# Allegro board C112P01-T2-ZDS-A03.brd (continued)
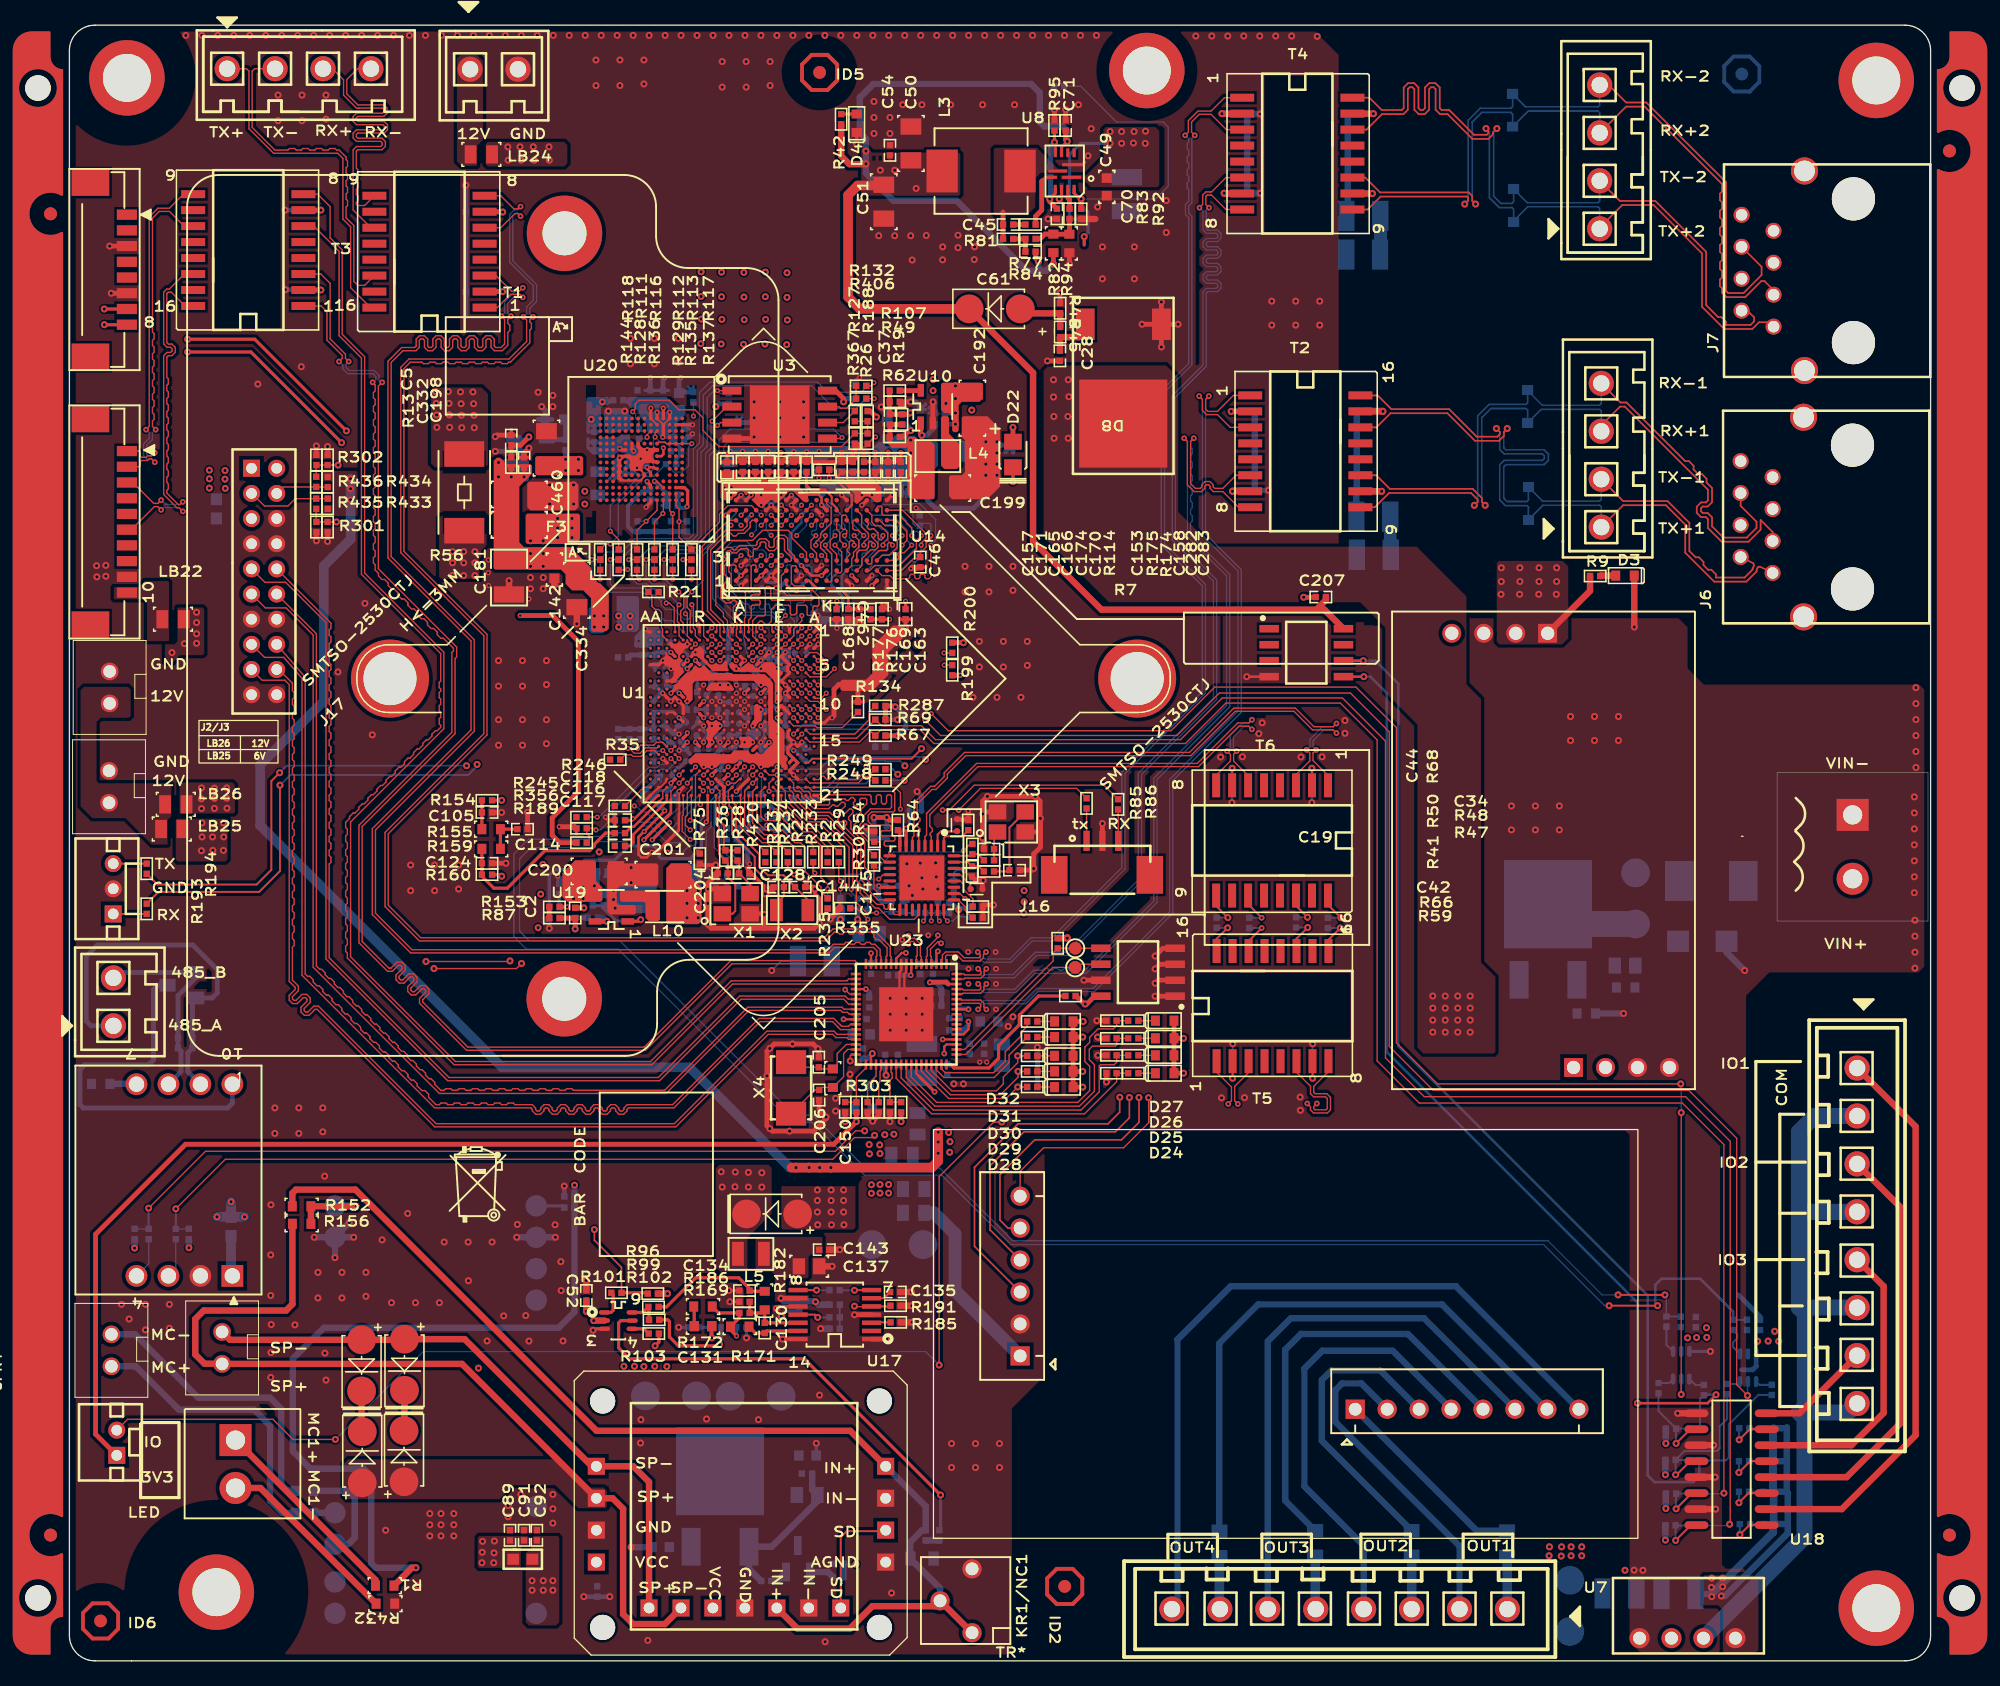
[diagram p0: board, top side]
## Copper pours and planes (outline as drawn; the poured copper is in the pictures) (continued)
5V_AU on TOP: 35.76,7.39 35.89,7.52 35.89,9.04 36.02,9.17 36.4,9.17 36.53,9.3 36.53,9.8 36.4,9.93 32.59,9.93 32.46,9.8 32.46,7.52 32.59,7.39
5V_AU on ART03: 51,39.48 64.08,39.48 68.3,35.27 68.3,22.19 65.27,19.15 41.1,19.15 39.45,17.5 39.45,5.37 38.84,4.76 32.72,4.76 32.14,5.33 32.14,21.49 34.63,23.98 61.53,23.98 63.13,25.58 63.13,33.86 62.84,34.15 51.18,34.15 50.48,34.85 50.48,38.96
5V_K on BOTTOM: 65.71,36.35 66.61,36.35 67.01,35.95 67.01,34.52 67.16,34.37 68.41,34.37 69.15,33.63 69.15,31.99 68.95,31.79 65.71,31.79 65.56,31.94 65.56,36.19
6V0_MAIN on TOP: 78.84,117.78 80.59,117.78 81.18,117.2 81.18,117.17 86.49,117.17 86.64,117.32 86.64,121.64 86.33,121.95 82.4,121.95 82.19,121.74 82.19,119.48 80.82,118.11 78.84,118.11 78.82,118.08 78.82,117.81
6V0_MAIN on TOP: 8.46,63.71 8.61,63.55 12.4,63.55 12.57,63.73 12.57,66.9 12.52,66.95 8.55,66.95 8.47,66.87 8.46,66.87
6V0_MAIN on TOP: 8.59,83.72 8.59,81.05 8.36,80.82 7.65,80.82 7.59,80.77 7.59,79.43 7.65,79.38 8.2,79.38 8.79,79.96 10.59,79.96 10.72,80.09 10.72,83.62 10.59,83.74 8.61,83.74
6V0_MAIN on TOP: 56.59,37.67 56.59,34.42 56.72,34.29 62.31,34.29 62.48,34.47 62.48,37.72 62.46,37.74 56.67,37.74
6V0_MAIN on TOP: 119.15,87.01 118.71,87.45 113.64,87.45 113.47,87.28 113.47,81.04 113.7,80.81 118.67,80.81 119.15,81.3
6V0_MAIN on BOTTOM: 51.99,33.27 46.71,38.56 29.92,38.56 12.42,56.06 12.37,56.06 4.65,63.78 4.65,88.8 2.97,90.47 2.97,103.23 5.64,105.89 39.29,105.89 44.68,111.28 57.46,111.28 58,110.74 58.01,110.74 58.01,102.83 57.6,102.41 40.21,102.41 40.18,102.44 39.22,102.44 36.96,100.18 13.16,100.18 10.52,97.54 10.52,88.93 12.4,87.05 12.4,84.84 12.33,84.77 12.34,84.76 12.34,67.67 34.09,45.92 49.38,45.92 57.02,38.28 62.06,38.28 62.5,37.85 62.5,37.15 63.09,36.55 64.4,36.55 65.11,35.84 65.11,31.8 64.87,31.56 62.38,31.56 61.87,32.07 61.87,33.08 61.68,33.27
6V0_MAIN on BOTTOM: 117.32,9.19 117.32,5.41 117.7,5.03 120.42,5.03 120.7,5.31 120.7,9.22 120.55,9.37 117.5,9.37
6V0_MAIN on BOTTOM: 81.15,117.17 86.51,117.17 86.64,117.3 86.64,121.64 86.33,121.95 82.37,121.95 82.19,121.77 82.19,119.48 81.05,118.34 81.03,118.34 81.03,117.3
6V0_MAIN on ART03: 82.25,114.59 82.25,121.84 82.87,122.47 87.52,122.47 87.95,122.04 87.95,110.22 86.98,109.25 86.98,95.25 94.32,87.91 122.43,87.91 134.04,76.3 134.04,7.95 132.74,6.65 116.45,6.65 115.46,7.65 115.46,11.13 116.09,11.76 125.45,11.76 126.43,12.74 126.43,72.78 119.27,79.95 93.38,79.95 79.05,94.28 79.05,103.13 78.3,103.89 50.15,103.89 49.34,104.69 49.34,113.9 49.81,114.36 82.02,114.36
12V0 on TOP: 77.44,102.59 77.44,89.36 82.64,84.16 102.6,84.16 103.66,83.1 103.66,83.08 104.61,82.13 104.61,76.99 107.16,74.44 107.16,48.77 107.65,48.29 113.23,48.29 113.36,48.41 113.36,54.38 112.22,55.52 112.22,76.48 111.05,77.64 111.05,84.64 107.11,88.58 90.91,88.58 88.14,91.35 88.14,102.03 87.17,103 77.85,103
12V0 on TOP: 33.26,118.82 39.33,118.82 39.59,119.07 39.59,120.52 39.33,120.77 33.26,120.77 33.09,120.6 33.09,118.99
12V0 on TOP: 13.06,67.38 13.16,67.48 13.16,69.64 12.96,69.84 8.86,69.84 8.76,69.74 8.76,67.43 8.82,67.38
12V0 on BOTTOM: 77.55,96.45 80.79,96.45 83.39,99.04 83.39,106.99 81.14,109.23 75.48,109.23 71.74,112.96 71.74,113.27 71.12,113.9 65.42,113.9 58.06,121.25 34.23,121.25 33.64,120.67 33.64,118.6 33.92,118.32 34.46,117.78 35.01,117.23 55.28,117.23 75.99,96.52 77.48,96.52
12V0 on BOTTOM: 43.93,19.79 47.89,19.79 48.15,20.04 48.15,24.17 48.06,24.26 43.76,24.26 43.68,24.17 43.68,20.04
12V0 on BOTTOM: 117.56,55.82 118.06,55.32 118.06,48.18 118.2,48.04 122.62,48.04 123.1,47.56 123.1,45.97 122.89,45.76 113.88,45.76 113.4,46.24 113.4,49.05 113.14,49.3 108.41,49.3 108.03,49.68 108.03,55.52 108.32,55.82
12V0 on ART03: 6.15,67.06 13.88,67.06 17.75,70.92 17.75,96.73 22.9,101.88 37.82,116.8 40,118.98 40,122.26 38.34,123.91 14.64,123.91 4.42,113.69 4.42,68.78 ; 9 cut-outs
12V0 on POWER5: 113.75,39.68 96.39,22.33 43.31,22.33 43.09,22.54 43.09,25.83 43.37,26.11 89.73,26.11 107.61,44 107.61,53.08 108.15,53.62 112.47,53.62 113.74,52.35 113.74,46.65 113.75,46.64
12V0_MAIN on BOTTOM: 47.26,9.5 48.41,9.5 48.56,9.65 48.56,10.5 48.69,10.63 50.11,10.63 50.28,10.46 50.28,6.58 51.94,4.91 51.94,3.57 51.82,3.44 50.52,3.44 50.36,3.61 50.36,4.81 48.84,6.32 48.84,7.14 47.21,8.78 47.21,9.45
12V0_MAIN on BOTTOM: 39.8,9.27 39.8,5.66 39.9,5.56 43.13,5.56 43.21,5.64 43.21,9.09 42.95,9.35 39.88,9.35
12V0_MAIN on ART03: 40.97,6.76 49.66,6.76 50.16,6.25 50.16,3.3 50.34,3.12 52.25,3.12 52.37,3.25 52.37,7.85 51,9.22 40.94,9.22 40.74,9.02 40.74,6.98
AV33 on BOTTOM: 60.02,49.05 59.89,49.17 59.89,56.92 61.42,58.45 63.32,58.45 63.58,58.19 63.58,56.92 63.83,56.67 69.8,56.67 71.07,55.4 71.07,52.48 71.83,51.71 71.83,51.59 71.96,51.46 72.72,51.46 72.85,51.33 72.85,50.32 72.72,50.19 71.58,50.19 71.32,49.94 70.69,49.94 70.43,50.19 70.43,51.71 69.99,52.16 69.99,54.19 68.91,55.27 63.2,55.27 62.81,54.89 62.81,49.56 62.31,49.05 ; 11 cut-outs
AVCC on TOP: 20.19,91.01 22.81,91.01 22.96,91.16 22.96,94.46 22.81,94.61 20.17,94.61 20.07,94.51 20.07,93.75 20.09,93.73 20.85,93.73 20.98,93.6 20.98,91.92 20.93,91.87 20.19,91.87 20.14,91.82 20.14,91.06
AVCC on BOTTOM: 66.37,42.32 66.12,42.06 66.12,39.67 66.19,39.6 70.26,39.6 70.43,39.78 70.43,42.27 70.38,42.32
AVCC on BOTTOM: 64.08,56.92 65.33,56.92 66.32,57.91 69.42,57.91 70.41,56.92 74.37,56.92 76.78,59.33 76.78,61.11 76.28,61.62 74.75,61.62 71.73,58.6 67.51,58.6 67.11,59 67.11,59.02 65.16,59.02 65.1,59.08 64.47,59.08 63.96,58.57 63.96,57.05
AVCC on POWER5: 68.4,39.7 81.38,39.7 82.3,40.61 82.3,51.64 82.88,52.22 85.42,52.22 91.52,58.32 91.52,61.87 91.1,62.29 75.98,62.29 75.31,61.62 75.31,44.6 73.51,42.8 68.45,42.8 68.07,42.42 68.07,40.03
DDRIO_1.5V/1.35V on TOP (solid shape): 67.64,96.93 68.53,96.93 68.78,96.67 68.78,92.48 68.66,92.35 67.01,92.35 66.62,92.74 66.62,97.06 66.87,97.31 67.26,97.31
DDRIO_1.5V/1.35V on TOP (solid shape): 64.07,93.77 64.12,93.7 64.19,93.65 64.57,93.27 64.57,92.26 64.44,92.13 64.06,92.13 63.68,92.51 63.6,92.51 63.58,92.52 63.39,92.59 63.2,92.52 63.19,92.51 63.17,92.51 62.66,92 62.53,92 62.41,92.13 62.41,92.6 62.42,92.66 62.41,92.77 61.44,93.73 61.44,93.97 61.6,94.12 63.72,94.12
DDRIO_1.5V/1.35V on TOP (solid shape): 52.76,79.38 52.88,79.26 53.04,79.23 53.07,79.22 53.09,79.18 53.17,79.02 53.34,78.95 53.45,78.98 53.54,79.04 53.73,79.23 53.74,79.24 53.85,79.29 53.93,79.38 53.94,79.4 54.04,79.4 54.06,79.38 54.18,79.26 54.34,79.23 54.37,79.22 54.39,79.18 54.47,79.02 54.64,78.95 54.75,78.98 54.84,79.04 55.03,79.23 55.04,79.24 55.15,79.29 55.23,79.38 55.25,79.4 55.88,79.4 56.72,78.56 56.72,78.47 56.63,78.38 56.63,78.37 56.33,78.07 56.33,77.71 56.44,77.6 56.44,77.59 56.67,77.37 56.67,77.11 56.61,76.93 56.67,76.76 56.67,76.35 56.52,76.2 56.46,76.17 56.41,76.14 56.37,76.1 56.16,76.1 56.07,76.19 56.07,77.78 55.99,77.86 55.99,77.96 55.34,78.61 54.06,78.61 54.03,78.64 52.83,78.64 52.48,78.99 52.48,79.25 52.63,79.4 52.74,79.4
DDRIO_1.5V/1.35V on TOP (solid shape): 53.14,94.66 53.14,94.14 53.9,94.14 53.9,94.66 54.15,94.66 54.15,94.14 54.91,94.14 54.91,94.66 55.17,94.66 55.17,94.14 55.93,94.14 55.93,94.66 56.18,94.66 56.18,94.14 56.95,94.14 56.95,94.66 57.2,94.66 57.2,94.14 57.96,94.14 57.96,94.66 58.04,94.66 58.09,94.61 58.09,93.27 58.72,92.64 58.72,92.15 58.37,92.15 57.57,92.96 57.53,92.96 57.52,92.96 57.39,92.99 57.26,92.96 57.25,92.96 57.21,92.96 56.37,92.12 56.1,92.12 55.94,92.27 55.7,92.27 55.17,91.75 54.79,91.75 54.25,92.28 54.24,92.28 54.21,92.35 54.25,92.39 54.27,92.39 54.41,92.9 53.9,92.76 53.89,92.75 53.86,92.71 53.76,92.69 53.69,92.76 53.39,92.99 53.1,92.76 53.09,92.75 52.93,92.59 52.92,92.58 52.77,92.49 52.69,92.33 52.68,92.28 51.96,92.28 51.77,92.48 51.77,94.51 51.91,94.66 53.05,94.66
DDRIO_1.5V/1.35V on BOTTOM (solid shape): outline of 291 points within 59.61,91.29 69.04,97.43
DDRIO_1.5V/1.35V on BOTTOM: 56.48,92.4 56.47,92.41 56.41,92.5 56.32,92.56 56.31,92.57 56.26,92.61 55.2,92.61 55.09,92.5 55.09,92.06 55.55,91.6 55.55,91.45 55.37,91.28 55.3,91.25 55.22,91.28 55.11,91.37 54.97,91.39 54.94,91.39 54.89,91.44 54.9,91.46 54.62,91.79 54.29,91.51 54.26,91.45 54.2,91.42 54.04,91.36 53.94,91.24 53.93,91.2 53.68,91.2 53.66,91.23 53.55,91.35 53.4,91.39 53.33,91.42 53.3,91.49 52.89,91.77 52.75,91.3 52.78,91.26 52.72,91.2 52.64,91.2 52.23,90.79 51.93,90.79 51.77,90.96 51.77,93.62 51.89,93.75 51.89,94.26 51.89,94.26 52.27,94.65 53.49,94.65 53.49,94.75 54.15,94.75 54.15,94.14 54.91,94.14 54.91,94.75 55.88,94.75 55.96,94.67 55.96,93.93 56.98,92.92 56.98,92.66 57.23,92.41 57.23,92.18 57.07,92.02 56.86,92.02 56.8,92.11 56.72,92.16 56.71,92.17
DDRIO_1.5V/1.35V on POWER5: outline of 136 points within 49.86,73.81 69.16,97.31
DVCC on BOTTOM: 67.16,42.77 89.05,42.77 89.28,43 89.28,45.24 89.23,45.24 89.23,51.43 88.93,51.74 79.73,51.74 79.32,51.33 79.32,45.21 78.89,44.78 69.22,44.78 69.16,44.83 69.16,47.37 68.78,47.75 63.88,47.75 62.99,46.86 62.99,43.41 62.84,43.26 62.13,43.26 61.98,43.1 61.98,42.52 62.03,42.47 66.85,42.47
DVDD on TOP (solid shape): 49.48,63.14 49.48,62.26 50.24,61.49 50.24,58.83 49.99,58.57 47.57,58.57 47.45,58.7 47.45,63.02 47.83,63.4 49.23,63.4
DVDD on TOP (solid shape): 52.69,77.54 52.69,77.53 52.73,77.41 52.81,77.32 52.81,77.2 52.74,77.13 50.73,77.13 50.68,77.19 50.68,77.37 50.72,77.43 50.75,77.51 50.75,77.52 51.01,77.79 52.44,77.79
DVDD on TOP (solid shape): 54.08,73.47 54.14,73.47 54.5,73.11 54.5,72.98 54.34,72.82 54.29,72.82 54.05,72.59 53.33,72.59 53.23,72.69 53.23,72.77 53.35,73.03 53.23,73.29 53.23,73.39 53.31,73.47 54.07,73.47
DVDD on TOP (solid shape): 54.71,76.07 54.81,75.99 54.93,75.95 54.94,75.95 55.12,75.78 55.14,75.76 55.16,75.74 55.16,75.53 55.07,75.44 55.04,75.31 55.04,74.77 54.94,74.67 54.93,74.67 54.73,74.57 54.64,74.38 54.64,74.36 54.42,74.14 54.21,74.14 54.18,74.19 54.18,74.48 54.23,74.56 54.25,74.65 54.25,74.67 54.43,74.85 54.43,75.92 54.58,76.07
DVDD on TOP (solid shape): 50.89,74.7 51.07,74.65 51.25,74.7 51.54,74.7 51.6,74.67 51.68,74.65 51.69,74.65 51.85,74.49 51.85,74.18 51.21,73.54 51.14,73.34 51.23,73.16 51.28,73.11 51.28,72.96 51.18,72.84 50.94,72.6 50.66,72.6 50.62,72.63 50.62,72.77 50.67,72.81 50.75,73.03 50.67,73.25 50.67,74.11 50.75,74.32 50.68,74.54 50.67,74.55 50.67,74.7
DVDD on BOTTOM (solid shape): 50.24,63.02 50.24,58.83 50.11,58.7 47.96,58.7 47.7,58.95 47.7,63.27 47.83,63.4 49.76,63.4 49.86,63.4
DVDD on BOTTOM (solid shape): 51.61,78.29 51.98,78.29 51.99,78.28 51.99,78.1 52.08,78.01 52.18,77.94 52.29,77.92 52.32,77.92 52.53,77.7 52.53,77.64 52.55,77.59 52.55,77.23 52.55,77.09 52.55,77.03 52.52,77.01 52.38,77.01 52.06,77.33 51.91,77.33 51.8,77.3 51.7,77.24 51.69,77.22 51.59,77.22 51.51,77.3 51.51,78.26 51.57,78.33
DVDD on BOTTOM (solid shape): 55.89,75.55 55.89,75.47 55.72,75.3 55.28,75.3 54.95,74.97 54.83,74.82 54.56,74.54 54.56,74.12 54.86,73.82 54.84,73.58 54.84,73.53 54.41,73.11 54.4,73.02 54.37,72.98 54.34,72.96 54.24,72.94 53.89,72.58 53.64,72.54 53.5,72.68 53.46,72.71 53.46,73.09 53.76,73.39 53.76,73.75 53.88,73.75 54.18,74.05 54.18,74.48 54.58,74.89 54.58,74.92 54.69,75.02 54.69,75.09 54.87,75.27 54.87,75.42 54.86,75.5 54.83,75.57 54.81,75.6 54.89,75.68 54.94,75.7 54.97,75.71 55,75.7 55.07,75.67 55.32,75.67 55.44,75.7 55.55,75.77 55.67,75.77
DVDD on POWER5: outline of 120 points within 47.57,58.28 61.67,79.15
GND on TOP (solid shape): 40.46,93.5 40.46,91.72 40.21,91.47 36.65,91.47 36.4,91.72 36.4,93.62 36.53,93.75 40.21,93.75
GND on TOP (solid shape): 66.73,82.22 66.73,81.79 65.1,80.16 65.1,78.38 63.83,77.11 61.42,77.11 61.29,77.24 61.29,77.88 61.42,78 63.32,78 63.83,78.51 63.83,80.67 65.48,82.32 66.62,82.32
GND on TOP (solid shape): 46.81,63.27 46.81,61.75 46.69,61.62 43.76,61.62 43.51,61.37 43.51,60.22 43.64,60.1 44.91,60.1 45.03,59.97 45.03,59.46 44.91,59.33 43,59.33 42.75,59.59 42.75,63.27 42.88,63.4 46.69,63.4
GND on TOP (solid shape): 73.99,97.94 73.99,93.37 72.97,92.35 71.55,92.35 71.54,92.36 71.42,92.38 71.3,92.36 71.3,92.35 70.18,92.35 69.93,92.61 69.93,94.13 70.05,94.26 70.94,94.26 71.2,94.51 71.2,97.05 70.94,97.31 70.94,97.71 70.94,97.71 70.94,98.83 71.07,98.96 72.97,98.96
GND on TOP (solid shape): 50.44,80.38 50.44,79.75 50.75,79.44 51,79.21 51.32,79.31 51.39,79.35 51.47,79.31 51.8,79.21 52.04,79.46 52.07,79.49 52.27,79.49 52.32,79.44 52.32,79.31 52.32,79.31 52.32,78.93 52.38,78.87 52.4,78.76 52.31,78.7 51.14,78.7 49.94,79.89 49.6,79.89 49.48,79.78 49.42,79.75 49.34,79.78 49.34,79.78 49.3,79.86 49.34,79.93 49.43,80.06 49.45,80.21 49.49,80.26 49.51,80.26 49.63,80.34 49.7,80.47 49.72,80.5 49.75,80.5 49.92,80.54 50.05,80.66 50.16,80.66
GND on TOP (solid shape): outline of 83 points within 47.14,77.72 49.44,81.25
GND on TOP (solid shape): outline of 288 points within 43.51,93.75 46.94,96.93
GND on BOTTOM (solid shape): 46.69,63.27 46.69,59.97 46.18,59.46 43.59,59.46 43.57,59.47 43.4,59.47 43,59.87 43,61.62 43.38,62 43.38,63.14 43.64,63.4 46.56,63.4
GND on BOTTOM (solid shape): 47.19,81.81 47.19,81.35 46.53,81.35 46.53,80.67 46.18,80.67 46.05,80.54 45.92,80.54 45.92,81.17 45.16,81.17 45.16,80.54 45.03,80.54 44.91,80.67 44.91,81.43 45.67,82.19 46.81,82.19
GND on BOTTOM (solid shape): 44.29,99.59 44.47,99.42 44.46,99.39 44.48,99.18 44.63,99.02 44.65,99.01 44.65,97.94 44.53,97.82 43.64,97.82 43.56,97.74 43.45,97.71 43.38,97.81 43.38,98.22 42.62,98.22 42.62,97.68 42.59,97.64 42.54,97.64 42.54,97.78 42.49,97.91 42.49,99.47 42.62,99.59 43.79,99.59
GND on BOTTOM (solid shape): 63.58,96.29 63.58,95.71 62.79,95.71 62.79,95.02 62.66,95.02 62.66,95.71 61.9,95.71 61.9,95.02 61.77,95.02 61.77,95.71 61.01,95.71 61.01,95.68 60.98,95.63 60.92,95.64 60.91,95.66 60.4,95.66 60.02,95.28 59.26,95.28 59.15,95.17 59.04,95.15 58.98,95.24 58.98,95.71 58.22,95.71 58.22,95.02 57.96,95.02 57.96,95.71 57.1,95.71 57.1,96.04 56.91,96.23 56.91,96.23 56.53,96.44 56.2,96.16 56.19,96.15 56.08,96.04 56.08,95.15 56.02,95.08 55.96,95.07 55.93,95.12 55.93,95.71 55.17,95.71 55.17,95.02 54.91,95.02 54.91,95.71 54.15,95.71 54.15,95.02 54,95.02 54,95.71 53.13,95.71 53.1,95.68 53.1,95.03 53.09,95.02 52.91,95.02 52.79,94.9 52.17,94.9 52.16,94.89 52.02,94.89 51.89,95.02 51.89,95.48 52.32,95.91 52.32,96.42 52.48,96.57 63.3,96.57
GND on BOTTOM (solid shape): outline of 167 points within 54.81,71.27 56.03,74.83
GND on BOTTOM (solid shape): outline of 191 points within 54.5,79.18 57.49,80.65
GND on TOP: 59.03,32.03 59.03,30.66 59.26,30.43 62.18,30.43 62.31,30.56 62.31,33.27 62.13,33.45 60.21,33.45 60.12,33.36 60.12,32.26 59.92,32.05 59.05,32.05
GND on TOP: outline of 91 points within 47.07,72.03 55.42,77.77
GND on TOP: 83.64,116.23 83.01,116.87 81.23,116.87 81.1,116.74 81.1,111.02 80.59,110.52 74.12,110.52 73.36,111.28 73.36,114.83 72.59,115.6 63.32,115.6 63.2,115.47 63.2,109.37 63.32,109.25 87.96,109.25 88.09,109.37 88.09,116.1 87.96,116.23
GND on TOP: 1.8,87.35 1.8,85.78 1.9,85.67 5.38,85.67 5.49,85.78 5.49,86.66 5.46,86.69 3.53,86.69 3.35,86.87 3.35,87.35 3.25,87.45 1.9,87.45
GND on TOP: 39.19,100.99 39.07,101.12 37.03,101.12 36.91,100.99 36.91,97.05 37.03,96.93 39.07,96.93 39.19,97.05
GND on TOP: 40.08,82.19 40.84,82.19 41.1,82.45 41.1,84.23 40.84,84.48 39.95,84.48 38.81,85.62 38.81,86.13 38.68,86.26 33.73,86.26 33.48,86.51 33.48,87.66 33.35,87.78 33.1,87.78 32.84,87.53 32.84,84.61 33.22,84.23 38.05,84.23
GND on TOP: 0.51,128.02 0.95,129.09 2.03,129.54 99.1,129.54 99.1,129.48 100.9,127.67 100.9,88.43 101.37,87.96 106.36,87.96 111.43,82.89 127.91,82.89 128.64,82.17 128.64,78.92 129.93,77.62 147.05,77.62 147.45,77.23 147.45,55.19 146.99,54.74 135.13,54.74 133.29,52.9 133.29,21.39 131.38,19.48 131.38,7.65 131.69,7.33 133.08,7.33 134.47,5.94 134.47,1.5 133.48,0.51 125.04,0.51 124.03,1.52 124.03,41.81 123.65,42.19 78.04,42.19 77.52,41.67 77.52,22.66 74.92,20.06 74.92,0.95 74.47,0.51 2.03,0.51 0.95,0.95 0.51,2.03 ; 98 cut-outs
GND on TOP: 68.28,120.8 68.28,122.83 68.53,123.09 79.83,123.09 80.47,122.45 80.47,119.53 80.21,119.28 78.94,119.28 78.82,119.15 78.82,119.02 78.94,118.9 80.85,118.9 81.74,119.79 81.74,123.09 80.47,124.36 63.58,124.36 63.45,124.23 63.45,120.68 63.83,120.29 67.77,120.29 ; 4 cut-outs
GND on TOP, BOTTOM: 34.37,12.34 34.37,10.19 34.49,10.06 38.68,10.06 38.94,10.31 38.94,13.23 38.56,13.61 35.64,13.61
GND on BOTTOM: 70.18,50.06 70.18,51.33 70.05,51.46 69.04,51.46 68.78,51.71 68.78,53.37 68.15,54 68.15,54.25 68.78,54.25 69.04,54.51 69.04,54.76 68.91,54.89 67.51,54.89 67.39,54.76 67.39,54.25 67.13,54 65.48,54 65.35,54.13 65.35,54.76 65.23,54.89 63.45,54.89 63.32,54.76 63.32,54.38 64.21,53.49 64.21,52.35 64.08,52.22 63.32,52.22 63.07,51.97 63.07,49.43 62.56,48.92 62.56,48.54 62.69,48.41 63.2,48.41 63.45,48.67 64.21,48.67 64.34,48.54 64.34,48.03 64.47,47.9 68.15,47.9 68.91,48.67 68.91,49.68 69.16,49.94 70.05,49.94 ; 16 cut-outs
GND on BOTTOM: 69.67,45.36 71.32,45.36 71.45,45.49 71.45,46 70.56,46.89 69.55,46.89 69.42,46.76 69.42,45.62 ; 2 cut-outs
GND on BOTTOM: 74.46,0.51 5.21,0.51 0.51,5.21 0.51,122.45 7.58,129.52 99.38,129.52 100.87,128.04 100.87,89.11 101.13,88.85 106.84,88.85 111.05,84.64 111.05,83.21 111.34,82.91 127.92,82.91 128.62,82.22 128.62,78.92 129.95,77.59 146.92,77.59 147.38,77.14 147.38,55.29 146.79,54.71 135.08,54.71 133.28,52.91 133.28,22.87 131.44,21.04 131.44,7.87 131.77,7.55 133.32,7.55 134.33,6.54 134.33,0.96 133.88,0.51 125.14,0.51 124.01,1.64 124.07,1.71 124.07,41.86 123.65,42.28 78.15,42.28 77.37,41.5 77.48,41.39 77.48,22.66 77.45,22.66 74.87,20.08 74.92,20.03 74.92,0.96 ; 42 cut-outs
GND on BOTTOM: 72.21,48.51 72.19,48.54 71.2,48.54 71.07,48.41 71.07,47.78 71.48,47.37 73.08,47.37 73.15,47.45 73.15,48.46 73.1,48.51 ; 2 cut-outs
GND on BOTTOM: 35,35.03 35,32.59 35.13,32.46 39.45,32.46 39.5,32.51 39.5,34.87 39.27,35.1 35.08,35.1
GND on BOTTOM: outline of 284 points within 50.88,73.94 55.95,78.51
GND on BOTTOM: outline of 85 points within 47.57,71.86 49.54,73.94
GND on BOTTOM: 81.48,109.12 87.96,109.12 88.09,109.25 88.09,115.85 87.96,115.98 81.48,115.98 81.36,115.85 81.36,109.25
GND on BOTTOM: 73.48,50.19 75.51,50.19 75.64,50.32 75.64,51.33 75.51,51.46 73.48,51.46 73.36,51.33 73.36,50.32
GND on BOTTOM: 60.66,43.46 62.69,43.46 62.81,43.59 62.81,44.48 62.69,44.6 62.69,47.14 62.56,47.27 61.54,47.27 60.53,46.25 60.53,43.59
GND on BOTTOM: 123.24,7.47 123.24,4.09 123.42,3.91 125.22,3.91 125.45,4.14 125.45,7.47 125.35,7.57 123.34,7.57
GND on GND02: 2.03,0.51 0.95,0.95 0.51,2.03 0.51,128.02 0.95,129.09 2.03,129.54 99.1,129.54 99.1,129.48 100.9,127.67 100.9,88.43 101.37,87.96 106.36,87.96 111.43,82.89 127.91,82.89 128.64,82.17 128.64,78.92 129.93,77.62 147.05,77.62 147.45,77.23 147.45,55.19 146.99,54.74 135.13,54.74 133.29,52.9 133.29,21.39 131.38,19.48 131.38,7.65 131.69,7.33 133.08,7.33 134.47,5.94 134.47,1.5 133.48,0.51 125.04,0.51 124.03,1.52 124.03,41.81 123.65,42.19 80.09,42.19 79.83,41.94 79.83,29.26 79.76,29.18 79.76,25.93 79.71,25.93 79.07,25.3 75.64,25.3 74.92,24.57 74.92,0.95 74.47,0.51 ; 3 cut-outs
GND on ART03: 2.03,0.51 0.95,0.95 0.51,2.03 0.51,128.02 0.95,129.09 2.03,129.54 99.1,129.54 99.1,129.48 100.9,127.67 100.9,88.43 101.37,87.96 106.36,87.96 111.43,82.89 127.91,82.89 128.64,82.17 128.64,78.92 129.93,77.62 147.05,77.62 147.45,77.23 147.45,55.19 146.99,54.74 135.13,54.74 133.29,52.9 133.29,21.39 131.38,19.48 131.38,7.65 131.69,7.33 133.08,7.33 134.47,5.94 134.47,1.5 133.48,0.51 125.04,0.51 124.03,1.52 124.03,41.81 123.65,42.19 80.09,42.19 79.83,41.94 79.83,29.26 79.76,29.18 79.76,25.93 79.71,25.93 79.07,25.3 75.64,25.3 74.92,24.57 74.92,0.95 74.47,0.51 ; 44 cut-outs
GND on GND04: 2.03,0.51 0.95,0.95 0.51,2.03 0.51,128.02 0.95,129.09 2.03,129.54 99.1,129.54 99.1,129.48 100.9,127.67 100.9,88.43 101.37,87.96 106.36,87.96 111.43,82.89 127.91,82.89 128.64,82.17 128.64,78.92 129.93,77.62 147.05,77.62 147.45,77.23 147.45,55.19 146.99,54.74 135.13,54.74 133.29,52.9 133.29,21.39 131.38,19.48 131.38,7.65 131.69,7.33 133.08,7.33 134.47,5.94 134.47,1.5 133.48,0.51 125.04,0.51 124.03,1.52 124.03,41.81 123.65,42.19 80.09,42.19 79.83,41.94 79.83,29.26 79.76,29.18 79.76,25.93 79.71,25.93 79.07,25.3 75.64,25.3 74.92,24.57 74.92,0.95 74.47,0.51 ; 24 cut-outs
GND on POWER5: 2.03,0.51 0.95,0.95 0.51,2.03 0.51,128.02 0.95,129.09 2.03,129.54 99.1,129.54 99.1,129.48 100.9,127.67 100.9,88.43 101.37,87.96 106.36,87.96 111.43,82.89 127.91,82.89 128.64,82.17 128.64,78.92 129.93,77.62 147.05,77.62 147.45,77.23 147.45,55.19 146.99,54.74 135.13,54.74 133.29,52.9 133.29,21.39 131.38,19.48 131.38,7.65 131.69,7.33 133.08,7.33 134.47,5.94 134.47,1.5 133.48,0.51 125.04,0.51 124.03,1.52 124.03,41.81 123.65,42.19 80.09,42.19 79.83,41.94 79.83,29.26 79.76,29.18 79.76,25.93 79.71,25.93 79.07,25.3 75.64,25.3 74.92,24.57 74.92,0.95 74.47,0.51 ; 25 cut-outs
GND on POWER5: 49.61,83.69 49.63,83.71 49.78,83.97 49.63,84.24 49.61,84.25 49.61,84.71 49.63,84.72 49.78,84.99 49.63,85.25 49.61,85.27 49.61,85.73 49.77,86 49.61,86.28 49.61,92.23 49.9,92.52 52.34,92.52 52.59,92.38 52.85,92.52 53.11,92.52 53.39,92.35 53.68,92.52 53.91,92.52 54.19,92.35 54.48,92.52 54.73,92.52 54.99,92.38 55.25,92.52 56.33,92.52 56.59,92.38 56.85,92.52 57.11,92.52 57.39,92.35 57.68,92.52 58.37,92.52 59,93.16 59,94.3 59.26,94.55 60.53,94.55 60.91,94.17 60.91,93.41 60.66,93.16 60.02,93.16 59.64,92.78 59.64,92.74 59.61,92.71 59.61,92.13 59.5,91.98 59.5,91.79 59.56,91.69 59.66,91.61 59.66,91.61 59.99,91.28 59.99,91.19 59.83,91.02 59.59,91.02 59.58,91.03 59.12,90.57 59.07,90.58 58.76,90.48 58.72,90.15 58.72,90.14 58.72,88.39 58.83,88.29 58.86,88.21 58.82,88.13 58.78,87.67 59.24,87.71 59.32,87.75 59.4,87.72 59.97,87.15 59.97,87.01 59.45,86.49 59.45,85.6 59.64,85.41 59.64,84.18 60.37,83.44 60.37,80.44 59.34,79.41 50.11,79.41 49.61,79.91
V5V on TOP: 129.97,6.81 133.83,6.81 134.26,6.38 134.26,0.86 134.04,0.63 131.55,0.63 131.44,0.74 131.44,4.04 131.06,4.42 130,4.42 129.9,4.52 129.9,6.73
V5V on BOTTOM: 128.37,6.88 131.9,6.88 131.98,6.81 131.98,5.11 130.91,4.04 128.45,4.04 128.32,4.17 128.32,6.83
VCC_1 on BOTTOM: 67.68,34.91 68.24,34.91 68.49,35.17 68.49,37.93 68.24,38.19 67.68,38.19 67.42,37.93 67.42,35.17
VCC_IN on TOP (solid shape): 40.59,91.08 40.59,89.18 40.21,88.8 36.4,88.8 36.27,88.93 36.27,91.08 36.4,91.21 40.46,91.21
VCC_IN on TOP: 32.97,91.06 29.59,91.06 29.39,90.86 29.39,86.18 29.54,86.03 32.64,86.03 32.74,86.13 32.74,88.26 33.17,88.7 33.17,90.86
VCC_IN on BOTTOM: 29.41,86.23 29.41,90.83 29.67,91.08 40.59,91.08 41.22,90.45 41.22,87.78 40.84,87.4 34.87,87.4 34.37,86.89 34.37,86.28 34.19,86.11 29.54,86.11
VDD_AUDIO on TOP: 54.53,33.6 54.53,31.14 54.74,30.94 55.83,30.94 56.08,30.68 56.08,28.6 56.16,28.52 58.72,28.52 58.8,28.6 58.8,29.03 58.75,29.08 57.1,29.08 56.95,29.24 56.95,30.33 57.05,30.43 58.62,30.43 58.76,30.57 58.76,32.13 58.97,32.33 59.84,32.33 59.87,32.36 59.87,33.64 59.8,33.71 54.64,33.71
VIN+ on BOTTOM: 131.01,59.84 143.08,59.84 143.59,60.35 143.59,64.03 143.08,64.54 131.14,64.54 130.76,64.16 130.76,60.1
DDVDD on BOTTOM: 73.48,47.14 73.36,47.02 71.58,47.02 70.05,48.54 69.42,48.54 69.29,48.41 69.29,47.4 69.55,47.14 70.56,47.14 71.83,45.87 74.75,45.87 74.88,46 74.88,47.9 74.75,48.03 73.61,48.03 73.48,47.9 ; 2 cut-outs
DDVDD on ART03: 63.58,47.52 69.67,47.52 69.8,47.65 69.8,48.41 69.67,48.54 63.58,48.54 63.45,48.41 63.45,47.65
EMMC_3V3 on BOTTOM (solid shape): outline of 133 points within 41.1,94.13 46.13,97.31
EMMC_VCCQ on BOTTOM (solid shape): outline of 139 points within 44.42,96.62 48.97,100.48
Net_52 on BOTTOM (solid shape): outline of 428 points within -4.5,0.5 -0.5,129.55
Net_53 on TOP (solid shape): outline of 428 points within -4.5,0.5 -0.5,129.55
Net_54 on TOP (solid shape): outline of 430 points within 148.46,0.5 152.46,129.55
Net_55 on BOTTOM (solid shape): outline of 430 points within 148.46,0.5 152.46,129.55
REG_OUT on BOTTOM: 70.97,48.79 70.99,48.82 72.36,48.82 72.39,48.79 73.36,48.79 73.74,48.41 74.88,48.41 75.13,48.67 75.13,49.81 75.01,49.94 71.7,49.94 71.45,49.68 69.29,49.68 69.16,49.56 69.16,48.92 69.29,48.79 ; 4 cut-outs
REG_OUT on ART03: 67.64,54 67.51,54.13 63.32,54.13 63.07,53.87 63.07,51.59 65.86,48.79 69.42,48.79 69.67,49.05 69.67,49.61 69.52,49.76 69.22,49.76 68.28,50.7 67.89,50.7 67.39,51.21 67.39,52.98 67.64,53.24
SPK+ on TOP: 21.79,15.65 21.79,13.09 22.03,12.85 34.18,12.85 35.29,13.97 38.63,13.97 40.46,12.14 42.61,12.14 42.72,12.26 42.72,13.51 42.46,13.78 41.11,13.78 38.86,16.03 22.17,16.03
VGND on BOTTOM: 125.73,6.83 125.73,4.14 125.98,3.89 126.57,3.89 127.29,3.16 128.61,3.16 128.93,2.84 128.93,1.07 129.18,0.81 130.89,0.81 131.06,0.99 131.06,3.23 130.45,3.84 127.74,3.84 127.61,3.96 127.61,6.71 127.43,6.88 125.78,6.88
$24N4737 on TOP (solid shape): 69.93,98.83 69.93,97.71 69.93,97.56 70.82,96.67 70.82,95.02 70.56,94.77 69.55,94.77 69.29,95.02 69.29,98.78 69.29,98.83 69.42,98.96 69.8,98.96
$24N4741 on TOP (solid shape): 46.94,61.11 46.94,58.95 46.81,58.83 46.05,58.83 45.8,59.08 45.8,60.22 45.67,60.35 43.89,60.35 43.76,60.48 43.76,61.11 43.89,61.24 46.81,61.24
N16898230 on TOP: 1.83,67.01 4.45,67.01 6.55,64.9 7.78,64.9 7.8,64.91 7.8,66.85 7.8,66.85 8.1,67.15 8.1,69.62 7.95,69.77 2.34,69.77 2.16,69.95 2.16,74.65 2.49,74.98 4.72,74.98 4.88,75.13 4.88,77.22 4.65,77.44 1.17,77.44 0.89,77.17 0.89,67.94
